# Altium PCB PCB_SingleLedRow.PcbDoc (part 2 of 2) (continued)
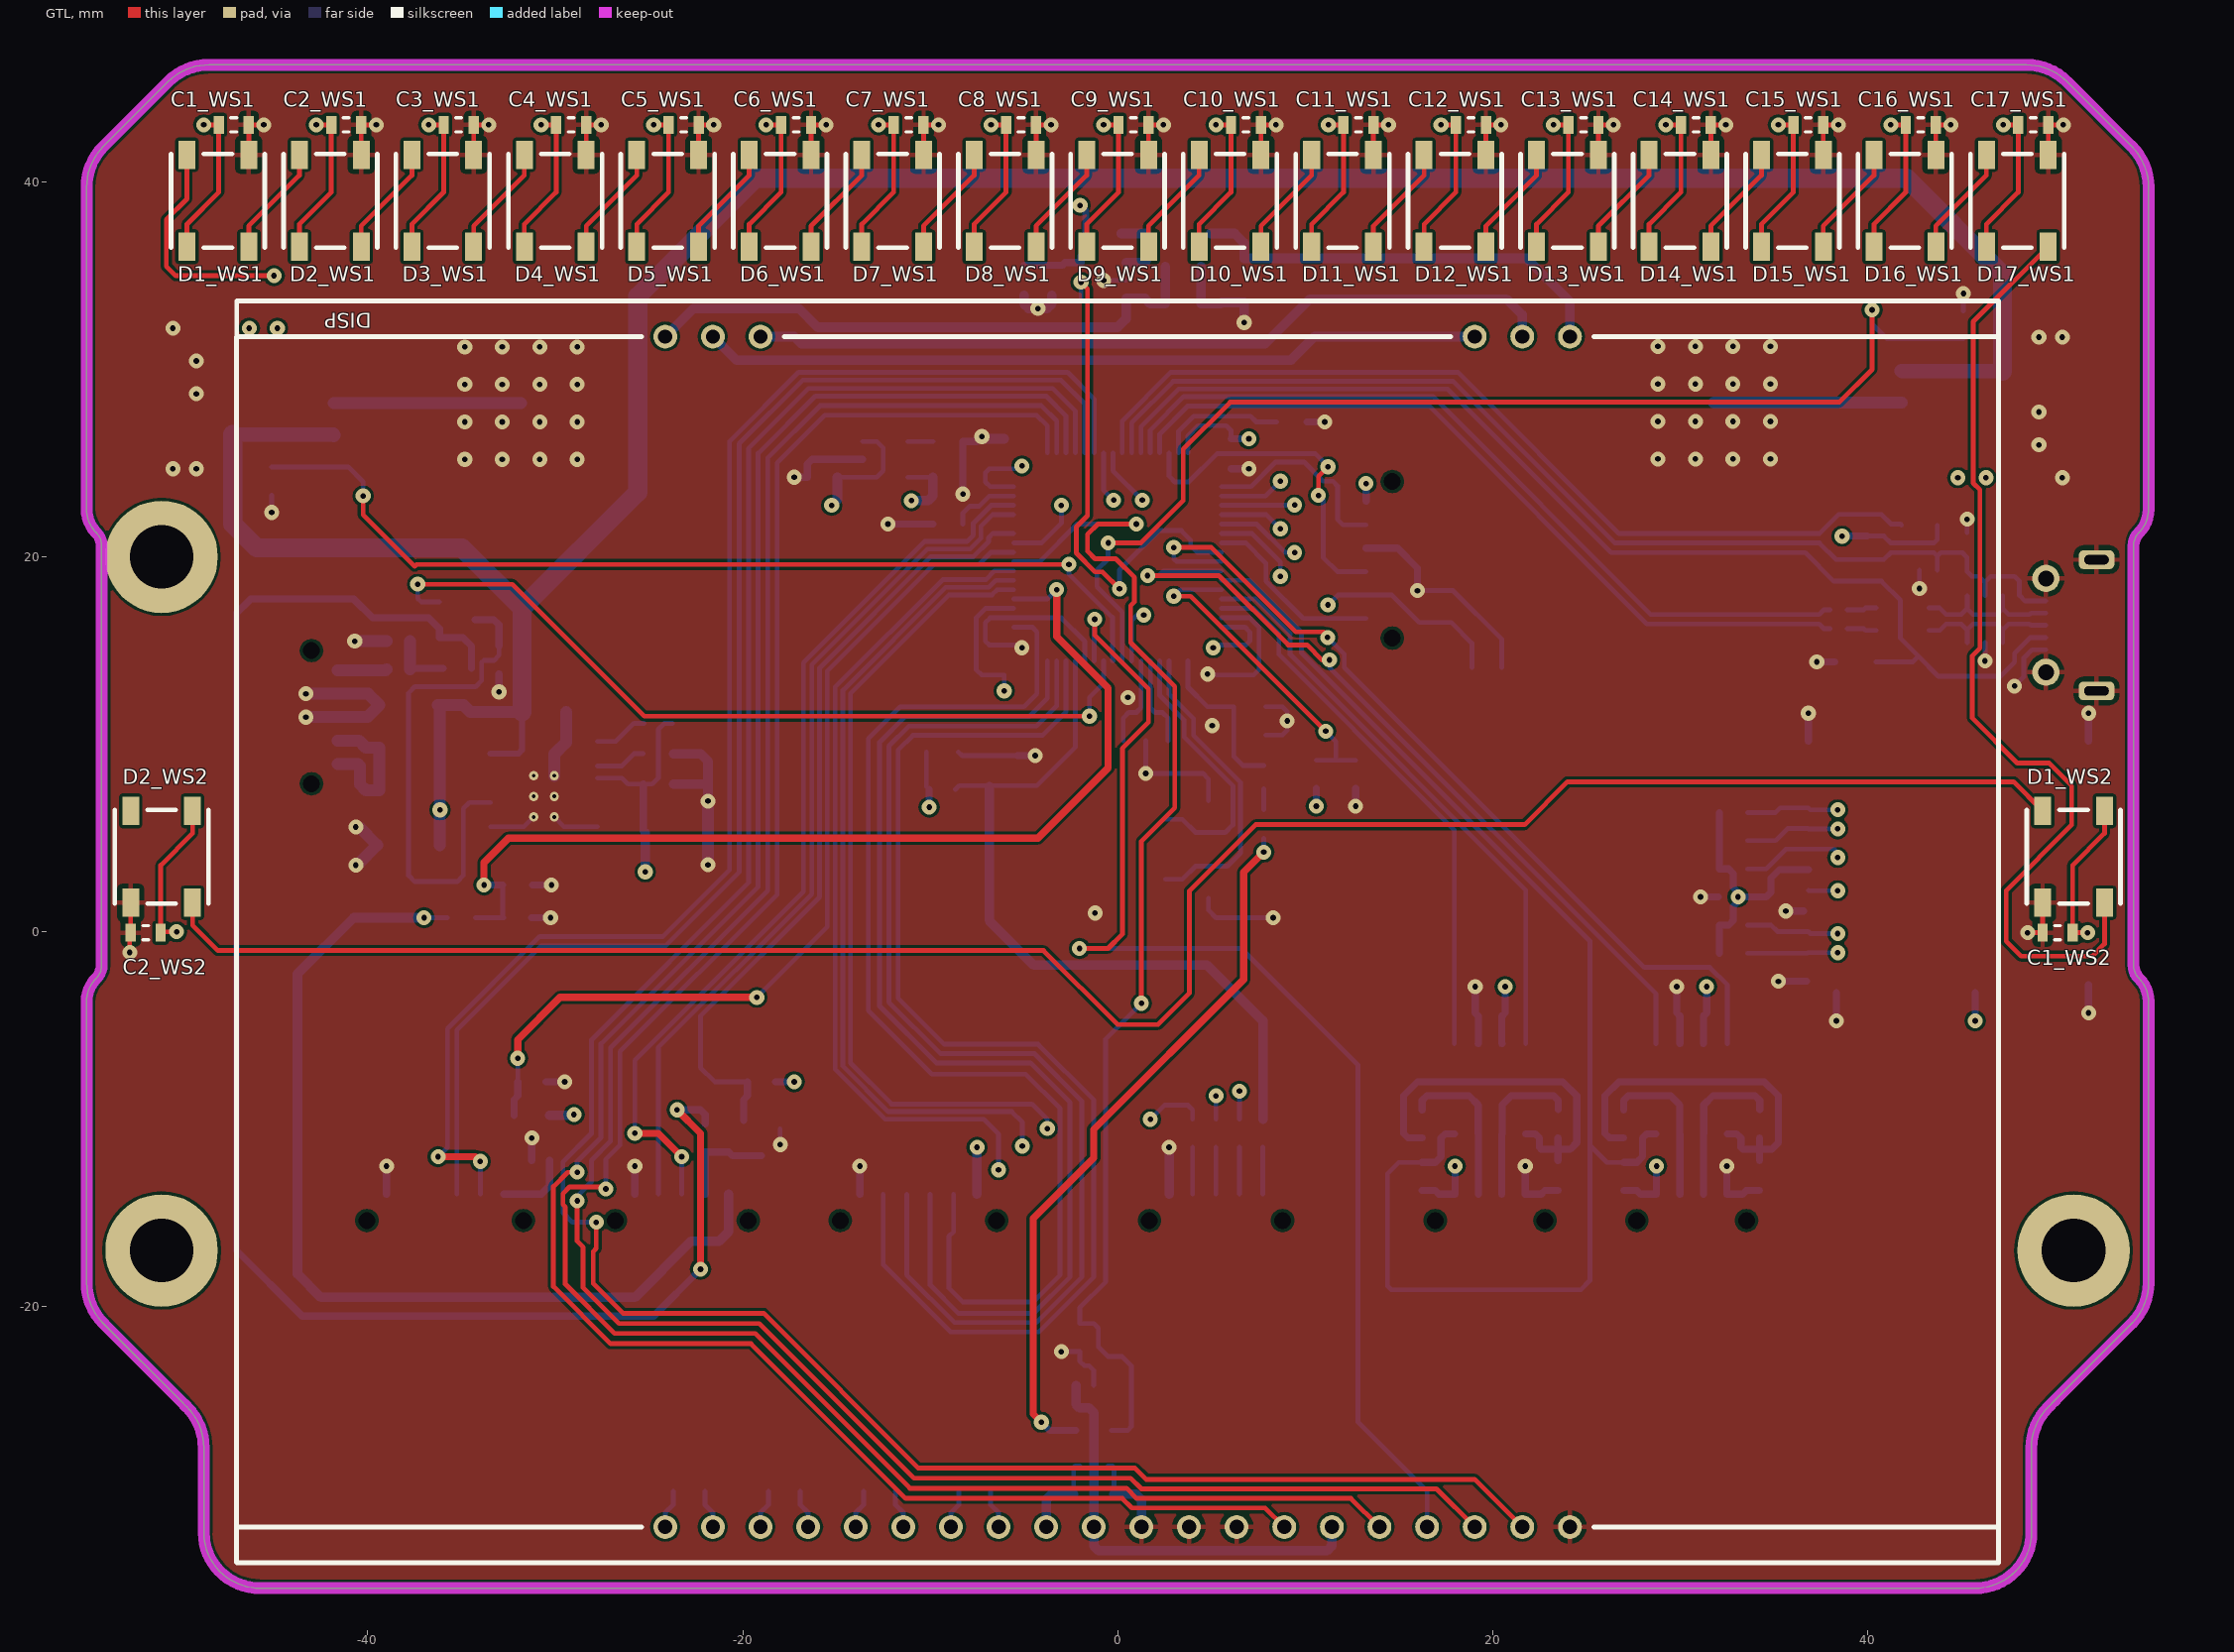
[diagram p0: GTL view]
## Nets (pads, with @x,y where several pads share a name; then routed paths per layer and width w, separated by ;. In a path a pad name is that pad's centre, name@x,y a point inside that pad or via, vN(x,y) a via of type N, cw(c..) or ccw(c..) an arc to the next point about the centre after c; other vN are vias at no path point) (continued)
NetD16_WS2_2: 
NetD17_1: D17.1 R6.2 | length 1.1
  GBL w0.254: R6.2@7.8,6.5 D17.1@7.8,7.625
NetD17_WS2_2: 
NetD22_2: D22.2 D24.2 R26.1 | length 3.3
  GBL w0.381: D22.2@-37.75,14 -37.7,14.05 R26.1@-35.975,14.05
  GBL w0.635: D22.2@-37.75,14 D24.2@-37.75,15.5
NetD25_2: D25.2 U2.10 | length 44
  GTL w0.254: v1(-37.338,18.542) -32.292,18.542 -25.25,11.5 v1(-1.5,11.5)
  GBL w0.254: v1(-37.338,18.542) -37.338,17.78 -37.158,17.6 D25.2@-36.175,17.6 ; v1(-1.5,11.5) -1.5,12.5 -0.75,13.25 U2.10@-0.75,14.45
NetDISP_2: DISP.2 DISP.18 | length 43.3
  GBL w0.508: DISP.18@-19.05,31.75 -17.25,31.75 -16.869,31.369 7.869,31.369 10.25,33.75 20.75,33.75 21.59,32.91 DISP.2@21.59,31.75
NetDISP_3: DISP.3 DISP.19 | length 41.7
  GBL w0.508: DISP.19@-21.59,31.75 -20.34,30.5 9.25,30.5 10.5,31.75 DISP.3@19.05,31.75
NetDISP_20: DISP.20 R2.2 R3.2 U1.3 | length 31.1
  GBL w0.508: DISP.20@-24.13,31.75 -22.63,33.25 -17,33.25 -16,32.25 0,32.25 0.45,32.7 U1.3@0.45,33.8 1.45,33.8 1.75,33.5 R2.2@2.55,33.5 R3.2@2.55,35.5
NetDISP_37: DISP.37 U2.11 | length 67
  GTL w0.254: v1(-2.032,-0.889) -0.508,-0.889 0.254,-0.127 0.254,9.779 1.651,11.176 1.651,12.954 -1.223,15.828 v1(-1.223,16.675)
  GBL w0.254: v1(-2.032,-0.889) 6.604,-0.889 12.827,-7.112 12.827,-26.162 16.51,-29.845 DISP.37@16.51,-31.75 ; U2.11@-1.25,14.45 -1.25,16.648 v1(-1.223,16.675)
NetQ2_4: Q2.4 R23.1 U2.25 | length 49.3
  GTL w0.381: v1(-32,-6.75) -32,-5.75 -29.75,-3.5 v1(-19.25,-3.5)
  GBL w0.254: R23.1@-32,-8 v1(-32,-6.75) ; v1(-19.25,-3.5) -15.494,0.256 -15.494,13.906 -9.8,19.6 -7.4,19.6 -6.75,20.25 U2.25@-5.55,20.25
  GBL w0.381: Q2.4@-32.2,-9.8 -32.2,-8.95 -32,-8.75 R23.1@-32,-8
NetQ3_1: Q3.1 R25.2 U2.27 | length 42.3
  GBL w0.254: R25.2@-19.75,-8 -21.5,-8 -22.25,-7.25 -22.25,-4.499 -15.9,1.85 -15.9,14.074 -9.968,20.006 -7.699,20.006 -6.883,20.823 -6.883,21.017 -6.65,21.25 U2.27@-5.55,21.25
  GBL w0.381: Q3.1@-19.95,-10.05 -19.95,-8.95 -19.75,-8.75 R25.2@-19.75,-8
NetQ3_3: Q3.3 R24.2 RaceDAC.2 | length 5.3
  GBL w0.381: RaceDAC.2@-22,-14 R24.2@-22,-11.75 -20.75,-11.75 -20.55,-11.95 Q3.3@-19,-11.95
NetQ4_4: Q4.4 R1.2 U2.24 | length 66
  GTL w0.254: v1@1.25,21.75 v1(1,21.75) -1.05,21.75 -1.6,21.2 -1.6,20.3 -1.2,19.9 -0.1,19.9 0.9,18.9 0.9,17.6 0.7,17.4 0.7,15.429 3.048,13.081 3.048,6.604 1.27,4.826 v1(1.27,-3.81)
  GBL w0.254: U2.24@-5.55,19.75 -4.15,19.75 -2.15,21.75 v1(1,21.75) ; Q4.4@-0.32,-26.6 0.53,-26.6 0.73,-26.4 0.73,-23.15 0.23,-22.65 -0.52,-22.65 -1.02,-22.15 -1.02,-21.15 -1.27,-20.9 R1.2@-2.02,-20.9 -2.02,-20.054 -0.635,-18.669 -0.635,-5.715 v1(1.27,-3.81)
NetR4_2: R4.2 R5.1 U2.60 | length 17.7
  GTL w0.254: v1(3,17.9) 3.9,17.9 v1(11.1,10.7)
  GBL w0.254: v1(3,17.9) 3.35,18.25 U2.60@5.55,18.25 ; R5.1@10.6,9.15 11.65,9.15 ; v1(11.1,10.7) 11.65,10.15 11.65,9.15 ; R4.2@12.7,9.15 11.65,9.15
NetR15_2: R15.2 U2.8 U3.1 | length 62.5
  GTL w0.254: v1(-0.5,20.75) 1.25,20.75 3.5,23 3.5,25.75 6,28.25 38.5,28.25 40.25,30 v1(40.25,33.175)
  GBL w0.254: v1(-0.5,20.75) -0.5,19.9 -1.1,19.3 -1.1,18.4 0.25,17.05 U2.8@0.25,14.45 ; v1(40.25,33.175) 40.25,32.425 41.05,31.625 U3.1@41.825,31.625 ; U3.1@41.75,31.7 U3.1@41.825,31.625 ; R15.2@45.125,31.625 U3.1@41.825,31.625
NetR16_2: R16.2 U2.9 U4.1 | length 51.9
  GTL w0.254: v1(-40.25,23.25) -40.25,22.25 -37.5,19.5 -37.4,19.6 v1(-2.6,19.6)
  GBL w0.254: R16.2@-45.125,24.8 U4.1@-41.825,24.8 -41.05,24.8 -40.25,24 v1(-40.25,23.25) ; v1(-2.6,19.6) -2.6,19.1 -0.277,16.777 -0.277,14.477 U2.9@-0.25,14.45
NetR28_1: R28.1 U5.1 | length 2.9
  GBL w0.254: U5.1@-27.75,10.15 -26.775,10.15 -25.8,11.125 R28.1@-25.25,11.125
NetR33_2: R33.2 U2.21 | length 56.4
  GL2 w0.254: v1(-3.75,-10.5) -0.75,-7.5 5.5,-7.5 v1(6.5,-8.5)
  GBL w0.254: U2.21@-5.55,18.25 -6.426,18.25 -6.701,17.974 -8.994,17.974 -14.25,12.719 -14.25,-7 -12.063,-9.187 -4.563,-9.187 -3.75,-10 v1(-3.75,-10.5) ; R33.2@6.5,-10 v1(6.5,-8.5)
NetR34_2: R34.2 U2.22 | length 56.8
  GL2 w0.254: v1(-5.08,-11.43) -2.68,-11.43 0.5,-8.25 4.75,-8.25 v1(5.25,-8.75)
  GBL w0.254: U2.22@-5.55,18.75 -6.501,18.75 -6.87,18.381 -9.163,18.381 -14.656,12.887 -14.656,-7.168 -12.231,-9.594 -5.646,-9.594 -5.08,-10.16 v1(-5.08,-11.43) ; R34.2@5.25,-10 v1(5.25,-8.75)
NetR35_2: R35.2 U2.23 | length 56.9
  GL2 w0.254: v1(-6.35,-12.7) -2.45,-12.7 0.25,-10 v1(1.75,-10)
  GBL w0.254: v1(-6.35,-12.7) -6.35,-10.795 -7.145,-10 -12.399,-10 -15.063,-7.337 -15.063,13.055 -9.331,18.787 -7.038,18.787 -6.575,19.25 U2.23@-5.55,19.25 ; v1(1.75,-10) 2.5,-9.25 3.75,-9.25 4,-9.5 R35.2@4,-10
NetRaceDAC_3: RaceDAC.3 U2.30 | length 48.9
  GTL w0.381: v1(-25.75,-10.75) -24.5,-10.75 v1(-23.25,-12)
  GBL w0.254: v1(-25.75,-10.75) -25.75,-6.85 -16.764,2.136 -16.764,14.36 -10.305,20.819 -8.036,20.819 -7.696,21.159 -7.696,21.804 -6.75,22.75 U2.30@-5.55,22.75 ; RaceDAC.3@-23.25,-14 v1(-23.25,-12)
NetRaceDAC_4: RaceDAC.4 U2.29 | length 46.1
  GBL w0.254: RaceDAC.4@-24.5,-14 -24.5,-6.175 -16.307,2.018 -16.307,14.243 -10.137,20.413 -7.867,20.413 -7.289,20.991 -7.289,21.636 -6.675,22.25 U2.29@-5.55,22.25
NetU1_4: U1.4 U2.56 | length 26.8
  GTL w0.254: v1(-1.95,34.65) -1.6,34.3 -1.6,22.2 -2.2,21.6 -2.2,20.2 -1.2,19.2 -0.8,19.2 v1(0.1,18.3)
  GBL w0.254: U1.4@-1.95,33.8 v1(-1.95,34.65) ; v1(0.1,18.3) 0.1,19.3 2.2,21.4 3.4,21.4 3.9,20.9 3.9,20.6 4.25,20.25 U2.56@5.55,20.25
NetU2_5: U2.5 X2.3 | length 4.9
  GBL w0.254: U2.5@1.75,14.45 1.75,11.95 2,11.7 2.4,11.7 2.7,11.4 X2.3@2.7,10.2
NetU2_6: U2.6 X2.1 | length 4.9
  GBL w0.254: X2.1@0.3,10.2 0.3,11.4 0.6,11.7 1,11.7 1.25,11.95 U2.6@1.25,14.45
Reset: C27.1 ISP.5 U2.7 | length 23.2
  GL2 w0.254: v1(1.4,16.9) 10.686,16.9 v1(11.223,17.437)
  GBL w0.254: U2.7@0.75,14.45 0.75,16.616 1.034,16.9 v1(1.4,16.9) ; v1(11.223,17.437) 11.751,17.965 ISP.5@13.255,17.965 14.635,17.965 16.1,16.5 17.8,16.5 18.9,15.4 C27.1@18.9,14.1
SCLK: ISP.2 U2.49 | length 10.7
  GBL w0.254: U2.49@5.55,23.75 7.122,23.75 8.429,25.057 9.953,25.057 10.969,24.041 11.477,24.041 11.731,23.787 11.731,22.009 12.025,21.715 ISP.2@13.255,21.715
SDIO_CK: U2.53 µSD.5 | length 46.6
  GL2 w0.254: v1(9.445,20.231) 10.207,20.231 10.969,20.993 19.053,20.993 35.317,4.729 38.616,4.729 38.809,4.922 39.24,4.922 39.433,4.729 39.433,2.697 38.925,2.189 v1(38.417,2.189)
  GBL w0.254: U2.53@5.55,21.75 7.418,21.75 8.937,20.231 v1(9.445,20.231) ; µSD.5@36.85,2.21 36.871,2.189 v1(38.417,2.189)
SDIO_CMD: R10.2 U2.54 µSD.3 | length 47.3
  GL2 w0.254: v1(8.683,18.961) 9.953,18.961 11.477,20.485 18.843,20.485 35.361,3.967 v1(38.417,3.967)
  GBL w0.254: U2.54@5.55,21.25 7.156,21.25 8.683,19.723 v1(8.683,18.961) ; R10.2@33.6,3.36 34.6,3.36 35.65,4.41 µSD.3@36.85,4.41 38.228,4.41 38.417,4.221 v1(38.417,3.967)
SDIO_D0: R11.2 U2.39 µSD.7 | length 60.1
  GL2 w0.254: v1(-0.207,23.025) -0.207,23.279 0.301,23.787 2.333,23.787 8.175,17.945 9.953,17.945 11.985,19.977 18.589,19.977 34.817,3.749 34.817,0.919 35.833,-0.097 v1(38.417,-0.097)
  GBL w0.254: U2.39@-0.75,25.55 -0.75,23.568 v1(-0.207,23.025) ; R11.2@33.6,0.36 34.85,0.36 35.2,0.01 µSD.7@36.85,0.01 36.957,-0.097 v1(38.417,-0.097)
SDIO_D1: R12.2 U2.40 µSD.8 | length 58.3
  GL2 w0.254: v1(1.317,23.025) 2.079,23.025 7.667,17.437 10.207,17.437 12.239,19.469 18.335,19.469 34.353,3.451 34.353,0.809 36.275,-1.113 v1(38.417,-1.113)
  GBL w0.254: U2.40@-0.25,25.55 -0.25,24.592 v1(1.317,23.025) ; R12.2@33.6,-1.14 36.8,-1.14 36.827,-1.113 v1(38.417,-1.113)
SDIO_D2: R8.2 U2.51 µSD.1 | length 44.6
  GL2 w0.254: v1(9.445,22.771) 10.207,22.009 19.474,22.009 34.976,6.507 v1(38.417,6.507)
  GBL w0.254: U2.51@5.55,22.75 9.424,22.75 v1(9.445,22.771) ; R8.2@33.6,6.36 35.1,6.36 35.35,6.61 µSD.1@36.85,6.61 36.953,6.507 v1(38.417,6.507)
SDIO_D3: R9.2 U2.52 µSD.2 | length 44.9
  GL2 w0.254: v1(8.683,21.501) 19.264,21.501 35.274,5.491 v1(38.417,5.491)
  GBL w0.254: U2.52@5.55,22.25 7.934,22.25 v1(8.683,21.501) ; R9.2@33.6,4.86 35.1,4.86 35.75,5.51 µSD.2@36.85,5.51 36.869,5.491 v1(38.417,5.491)
SDIO_SW: U2.50 µSD.10 | length 61.7
  GL2 w0.254: v1(8.683,24.041) 11.477,24.041 11.731,23.787 11.731,22.771 11.985,22.517 22.283,22.517 31.85,12.95 40.242,12.95 45.75,7.442 v1(45.75,-4.75)
  GBL w0.254: U2.50@5.55,23.25 7.892,23.25 v1(8.683,24.041)
  GBL w0.381: v1(45.75,-4.75) µSD.10@45.75,-3.25
SPI2_CD: DISP.34 U2.35 | length 113.7
  GTL w0.254: v1(-28.829,-12.827) -29.337,-12.827 -30.099,-13.589 -30.099,-18.923 -27.051,-21.971 -19.558,-21.971 -11.303,-30.226 0.254,-30.226 0.762,-30.734 7.874,-30.734 DISP.34@8.89,-31.75
  GBL w0.254: v1(-28.829,-12.827) -28.829,-12.236 -27.559,-10.966 -27.559,-5.969 -19.177,2.413 -19.177,25.527 -16.129,28.575 -3.81,28.575 -2.75,27.515 U2.35@-2.75,25.55
SPI2_MOSI: DISP.39 U2.36 | length 126.6
  GTL w0.254: v1(-27.813,-15.494) -27.813,-16.891 -27.975,-17.053 -27.975,-18.761 -26.381,-20.355 -18.888,-20.355 -10.633,-28.61 0.924,-28.61 1.524,-29.21 19.05,-29.21 DISP.39@21.59,-31.75
  GBL w0.254: v1(-27.813,-15.494) -29.083,-15.494 -29.591,-14.986 -29.591,-12.279 -28.067,-10.755 -28.067,-5.759 -19.685,2.623 -19.685,25.781 -16.485,28.981 -3.454,28.981 -2.25,27.777 U2.36@-2.25,25.55
SPI2_NSS: DISP.36 U2.33 | length 116.1
  GTL w0.254: v1@-27.305,-13.97 v1(-27.305,-13.716) -27.409,-13.612 -29.233,-13.612 -29.591,-13.97 -29.591,-14.552 -29.464,-14.679 -29.464,-18.796 -26.828,-21.432 -19.335,-21.432 -11.08,-29.687 0.477,-29.687 1.016,-30.226 12.446,-30.226 DISP.36@13.97,-31.75
  GBL w0.254: v1(-27.305,-13.716) -27.305,-12.148 -26.543,-11.386 -26.543,-6.39 -18.161,1.992 -18.161,25.019 -15.621,27.559 -4.318,27.559 -3.75,26.991 U2.33@-3.75,25.55
SPI2_SCK: DISP.38 U2.34 | length 120.1
  GTL w0.254: v1(-28.829,-14.351) -28.829,-16.51 -28.513,-16.826 -28.513,-18.985 -26.605,-20.893 -19.112,-20.893 -10.857,-29.148 0.7,-29.148 1.27,-29.718 17.018,-29.718 DISP.38@19.05,-31.75
  GBL w0.254: v1(-28.829,-14.351) -28.829,-14.097 -28.067,-13.335 -28.067,-12.192 -27.051,-11.176 -27.051,-6.179 -18.669,2.203 -18.669,25.273 -15.875,28.067 -4.064,28.067 -3.25,27.253 U2.34@-3.25,25.55
SWD: ISP.4 U2.46 | length 18.5
  GTL w0.254: v1(10.715,23.279) 10.715,24.295 v1(11.223,24.803)
  GBL w0.254: U2.46@2.75,25.55 2.75,24.3 3.05,24 3.8,24 5.3,25.5 10.55,25.5 11.223,24.827 v1(11.223,24.803) ; v1(10.715,23.279) 10.969,23.025 10.969,19.977 11.731,19.215 ISP.4@13.255,19.215
SWO: ISP.6 U2.55 | length 9.9
  GBL w0.254: U2.55@5.55,20.75 6.827,20.75 7.921,19.656 7.921,18.707 9.913,16.715 ISP.6@13.255,16.715
TEL_CTS: RF-868P_LR.4 U2.15 | length 63.5
  GBL w0.254: RF-868P_LR.4@-11.25,-14 -11.25,-18.306 -8.706,-20.85 -4.34,-20.85 -1.905,-18.415 -1.905,-9.039 -4.449,-6.496 -9.455,-6.496 -12.2,-3.751 -12.2,9.901 -11.127,10.974 -4.326,10.974 -3.25,12.05 U2.15@-3.25,14.45
TEL_RTS: RF-868P_LR.5 U2.14 | length 65.6
  GBL w0.254: RF-868P_LR.5@-12.5,-14 -12.5,-17.757 -8.911,-21.346 -4.201,-21.346 -1.27,-18.415 -1.27,-8.973 -4.243,-6 -9.25,-6 -11.704,-3.546 -11.704,9.696 -10.922,10.478 -4.022,10.478 -2.75,11.75 U2.14@-2.75,14.45
TEL_RX: RF-868P_LR.3 U2.16 | length 61.3
  GBL w0.254: RF-868P_LR.3@-10,-14 -10,-18.849 -8.499,-20.35 -4.475,-20.35 -2.54,-18.415 -2.54,-9.111 -4.656,-6.996 -9.662,-6.996 -12.7,-3.958 -12.7,10.108 -11.334,11.474 -4.726,11.474 -3.75,12.45 U2.16@-3.75,14.45
TEL_TX: RF-868P_LR.2 U2.17 | length 62.4
  GBL w0.254: RF-868P_LR.2@-8.75,-14 -8.75,-16 -9,-16.25 -9,-19 -8.25,-19.75 -4.51,-19.75 -3.071,-18.311 -3.071,-9.429 -4.904,-7.596 -9.911,-7.596 -13.3,-4.207 -13.3,10.3 -11.6,12 -5,12 -4.3,12.7 -4.3,16 -4.55,16.25 U2.17@-5.55,16.25
TEL_VCC: C43.1 C45.1 RF-868P_LR.1 U4.4 | length 105.8
  GL2 w1.27: v1(-46.325,32.2) v1(-44.825,32.2) -43.45,32.2 -42.5,31.25 -42.5,20.25 -39,16.75 -39,-7 -42,-10 -42,-19 -38.25,-22.75 -9.5,-22.75 -8,-21.25 -8,-12 v1(-7.5,-11.5)
  GBL w0.508: RF-868P_LR.1@-7.5,-14 v1(-7.5,-11.5)
USB_5VEN: Q1.4 U2.41 | length 48.6
  GBL w0.254: U2.41@0.25,25.55 0.25,27.25 2.85,29.85 18.15,29.85 26.753,21.247 37.445,21.247 38.461,22.263 40.747,22.263 41.255,21.755 41.759,21.755 Q1.4@41.829,21.685
USB_D1_N: CMC1.2 R13.1 | length 1.6
  GBL w0.254: R13.1@38.911,17.183 39.806,17.183 39.898,17.275 CMC1.2@40.475,17.275
USB_D1_P: CMC1.3 R14.1 | length 1.6
  GBL w0.254: R14.1@38.911,16.167 39.806,16.167 39.898,16.075 CMC1.3@40.475,16.075
USB_D2_N: CMC1.1 D18.4 D18.6 USB.2 | length 8.3
  GBL w0.254: CMC1.1@43.275,17.275 43.852,17.275 44.198,16.929 45.006,16.929 45.325,17.248 ; D18.4@45.325,17.925 45.325,17.248 ; D18.6@47.225,17.925 47.225,17.248 ; USB.2@49.525,17 48.723,17 48.652,16.929 47.544,16.929 47.225,17.248 ; 45.325,17.248 45.644,16.929 46.906,16.929 47.225,17.248
USB_D2_P: CMC1.4 D18.1 D18.3 USB.3 | length 8.3
  GBL w0.254: CMC1.4@43.275,16.075 43.852,16.075 44.198,16.421 45.006,16.421 45.325,16.102 ; D18.3@45.325,15.425 45.325,16.102 ; D18.1@47.225,15.425 47.225,16.102 ; USB.3@49.525,16.35 48.723,16.35 48.652,16.421 47.544,16.421 47.225,16.102 ; 45.325,16.102 45.644,16.421 46.906,16.421 47.225,16.102
USB_D_N: R13.2 U2.44 | length 43.1
  GBL w0.254: U2.44@1.742,25.55 1.742,26.76 3.532,28.55 16.825,28.55 28.446,16.929 37.43,16.929 37.684,17.183 R13.2@38.011,17.183
USB_D_P: R14.2 U2.45 | length 42.3
  GBL w0.254: U2.45@2.25,25.55 2.25,26.55 3.75,28.05 16.607,28.05 28.236,16.421 37.43,16.421 37.684,16.167 R14.2@38.011,16.167
USB_ID: R7.1 U2.43 USB.4 | length 61.6
  GBL w0.254: U2.43@1.25,25.55 1.25,26.95 3.256,28.956 17.607,28.956 26.332,20.231 36.683,20.231 38.207,18.707 40.747,18.707 41.763,17.691 41.763,15.659 42.722,14.7 ; R7.1@40.45,14.4 42.422,14.4 42.722,14.7 ; USB.4@49.525,15.7 48.69,15.7 47.85,14.86 47.85,14.38 47.097,13.627 43.795,13.627 42.722,14.7
USB_VBUS: C37.2 D18.5 D19.2 Q1.1 U2.42 USB.1 | length 59.2
  GBL w0.254: U2.42@0.75,25.55 0.75,27.15 2.963,29.363 17.919,29.363 26.543,20.739 37.445,20.739 38.324,19.86 D19.2@39.985,19.86 40.884,19.86 41.255,20.231 43.541,20.231 43.729,20.043 ; Q1.1@43.729,19.285 43.729,20.043 ; D18.5@46.275,17.925 46.275,18.647 ; USB.1@49.525,17.65 48.408,17.65 48.113,17.945 48.113,18.707 47.859,18.961 46.589,18.961 46.275,18.647 ; 43.729,20.043 43.917,20.231 45.065,20.231 45.319,19.977 C37.2@45.319,19.685 45.319,19.215 45.573,18.961 45.961,18.961 46.275,18.647
pads on no net: Analog. CAN1. CAN2. GPS. ISP. P_IN. Q1.3 Q2.3 Q4.3 RaceDAC. RF-868P_LR. U2.2 U2.28 U3.5 U4.5 U5.2 U5.5 U5.6 U5.7 U5.9 U5.10 U5.11 U5.12 U5.14 U5.16 U5.17 U5.18 U5.20 X1.2 X1.3

## Polygon pours and split planes (outlines as drawn)
GND on GBL "GBL-GND" (solid, remove dead copper, pour order 29): -55.254,-18.73 -55.254,-3.721 cw(c-53.234,-3.721) -54.663,-2.293 ccw(c-55.164,-1.789) -54.662,-2.292 ccw(c-55.166,-1.79) -54.454,-1.79 -54.454,20.604 ccw(c-55.166,20.604) -54.662,21.107 ccw(c-55.164,20.603) -54.663,21.107 cw(c-53.234,22.536) -55.254,22.536 -55.254,39.73 cw(c-51.934,39.73) -54.282,42.078 -50.828,45.532 cw(c-48.48,43.184) -48.48,46.504 48.48,46.504 cw(c48.48,43.184) 50.828,45.532 54.282,42.078 cw(c51.934,39.73) 55.254,39.73 55.254,22.536 cw(c53.234,22.536) 54.663,21.107 ccw(c55.164,20.603) 54.662,21.107 ccw(c54.483,21.287) 54.663,21.107 54.662,21.107 ccw(c55.166,20.604) 54.454,20.604 54.454,-1.79 ccw(c55.166,-1.79) 54.662,-2.292 ccw(c55.164,-1.789) 54.663,-2.293 cw(c53.234,-3.721) 55.254,-3.721 55.254,-18.73 cw(c51.934,-18.73) 54.282,-21.078 49.828,-25.532 ccw(c51.816,-27.52) 49.004,-27.52 49.004,-32.065 cw(c45.841,-32.065) 48.078,-34.302 cw(c45.73,-31.954) 45.73,-35.274 -45.73,-35.274 cw(c-45.73,-31.954) -48.078,-34.302 cw(c-45.841,-32.065) -49.004,-32.065 -49.004,-27.52 ccw(c-51.816,-27.52) -49.828,-25.532 -54.282,-21.078 cw(c-51.934,-18.73)
GND on GBL "GBL-No Net 1" (solid, pour order 10): 0.75,14.45 0.75,13.45 -0.95,11.75 -0.95,10.5 -5.2,6.25 -5.2,0.75 -4.45,0 9.05,0 9.8,0.75 9.8,12.5 9.05,13.25 6.3,13.25 4.3,15.25 0.8,15.25
5V_LED on GBL "GBL-No Net" (solid, pour order 2): 39.825,27.725 43.825,27.725 44.825,28.725 47.825,28.725 48.325,28.225 48.325,23.225 47.825,22.725 39.825,22.725 38.825,23.725 38.825,26.725
GND on GBL "GBL-No Net" (solid, pour order 12): -48.325,33.2 -48.825,33.7 -50.825,33.7 -51.4,33.125 -51.4,24.775 -50.825,24.2 -48.825,24.2 -48.325,24.7
TEL_VCC on GBL "GBL-No Net" (solid, pour order 14): -39.825,28.7 -43.825,28.7 -44.825,27.7 -47.825,27.7 -48.325,28.2 -48.325,33.2 -47.825,33.7 -39.825,33.7 -38.825,32.7 -38.825,29.7
GND on GBL "GBL-No Net" (solid, pour order 26): 48.325,23.225 48.825,22.725 50.825,22.725 51.4,23.3 51.4,31.65 50.825,32.225 48.825,32.225 48.325,31.725
3V3 on GL2 "GL2-No Net" (solid, pour order 18): -13,0 -14,1 -14,29 -13,30 13,30 14,29 14,1 13,0
GND on GL2 "GL2-GND" (solid, remove dead copper, pour order 28): -55.254,-18.73 -55.254,-3.721 cw(c-53.234,-3.721) -54.663,-2.293 ccw(c-55.164,-1.789) -54.662,-2.292 ccw(c-55.166,-1.79) -54.454,-1.79 -54.454,20.604 ccw(c-55.166,20.604) -54.662,21.107 ccw(c-55.164,20.603) -54.663,21.107 cw(c-53.234,22.536) -55.254,22.536 -55.254,39.73 cw(c-51.934,39.73) -54.282,42.078 -50.828,45.532 cw(c-48.48,43.184) -48.48,46.504 48.48,46.504 cw(c48.48,43.184) 50.828,45.532 54.282,42.078 cw(c51.934,39.73) 55.254,39.73 55.254,22.536 cw(c53.234,22.536) 54.663,21.107 ccw(c55.164,20.603) 54.662,21.107 ccw(c54.483,21.287) 54.663,21.107 54.662,21.107 ccw(c55.166,20.604) 54.454,20.604 54.454,-1.79 ccw(c55.166,-1.79) 54.662,-2.292 ccw(c55.164,-1.789) 54.663,-2.293 cw(c53.234,-3.721) 55.254,-3.721 55.254,-18.73 cw(c51.934,-18.73) 54.282,-21.078 49.828,-25.532 ccw(c51.816,-27.52) 49.004,-27.52 49.004,-32.065 cw(c45.841,-32.065) 48.078,-34.302 cw(c45.73,-31.954) 45.73,-35.274 -45.73,-35.274 cw(c-45.73,-31.954) -48.078,-34.302 cw(c-45.841,-32.065) -49.004,-32.065 -49.004,-27.52 ccw(c-51.816,-27.52) -49.828,-25.532 -54.282,-21.078 cw(c-51.934,-18.73)
GND on GTL "GTL-GND" (solid, remove dead copper, pour order 27): -55.254,-18.73 -55.254,-3.721 cw(c-53.234,-3.721) -54.663,-2.293 ccw(c-55.164,-1.789) -54.662,-2.292 ccw(c-55.166,-1.79) -54.454,-1.79 -54.454,20.604 ccw(c-55.166,20.604) -54.662,21.107 ccw(c-55.164,20.603) -54.663,21.107 cw(c-53.234,22.536) -55.254,22.536 -55.254,39.73 cw(c-51.934,39.73) -54.282,42.078 -50.828,45.532 cw(c-48.48,43.184) -48.48,46.504 48.48,46.504 cw(c48.48,43.184) 50.828,45.532 54.282,42.078 cw(c51.934,39.73) 55.254,39.73 55.254,22.536 cw(c53.234,22.536) 54.663,21.107 ccw(c55.164,20.603) 54.662,21.107 ccw(c54.483,21.287) 54.663,21.107 54.662,21.107 ccw(c55.166,20.604) 54.454,20.604 54.454,-1.79 ccw(c55.166,-1.79) 54.662,-2.292 ccw(c55.164,-1.789) 54.663,-2.293 cw(c53.234,-3.721) 55.254,-3.721 55.254,-18.73 cw(c51.934,-18.73) 54.282,-21.078 49.828,-25.532 ccw(c51.816,-27.52) 49.004,-27.52 49.004,-32.065 cw(c45.841,-32.065) 48.078,-34.302 cw(c45.73,-31.954) 45.73,-35.274 -45.73,-35.274 cw(c-45.73,-31.954) -48.078,-34.302 cw(c-45.841,-32.065) -49.004,-32.065 -49.004,-27.52 ccw(c-51.816,-27.52) -49.828,-25.532 -54.282,-21.078 cw(c-51.934,-18.73)
GND on GL3 (split plane): 225 vertices, not listed, extent -54.491,-34.511 54.491,45.741

## Keep-outs
Keep-Out Layer:
  lines w0.635: -55,-18.73 ccw(c-51.934,-18.73) -54.102,-20.898 ; -55,-18.73 ccw(c-51.934,-18.73) -54.102,-20.898 ; -55,-18.73 -55,-3.94 ; -55,-18.73 -55,-3.94 ; -55,-3.94 -55,-3.721 ; -55,-3.94 -55,-3.721 ; -55,-3.721 cw(c-53.234,-3.721) -54.483,-2.473 ; -55,-3.721 cw(c-53.234,-3.721) -54.483,-2.473 ; -55,22.536 ccw(c-53.234,22.536) -54.483,21.287 ; -55,22.536 ccw(c-53.234,22.536) -54.483,21.287 ; -55,22.536 -55,22.754 ; -55,22.536 -55,22.754 ; -55,22.754 -55,37.48 ; -55,22.754 -55,37.48 ; -55,37.48 -55,39.73 ; -55,37.48 -55,39.73 ; -55,39.73 cw(c-51.934,39.73) -54.102,41.898 ; -55,39.73 cw(c-51.934,39.73) -54.102,41.898 ; -54.483,-2.473 ccw(c-55.166,-1.79) -54.2,-1.79 ; -54.483,-2.473 ccw(c-55.166,-1.79) -54.2,-1.79 ; -54.483,21.287 cw(c-55.166,20.604) -54.2,20.604 ; -54.483,21.287 cw(c-55.166,20.604) -54.2,20.604 ; -54.2,-1.79 -54.2,20.604 ; -54.2,-1.79 -54.2,20.604 ; -54.102,-20.898 -50,-25 ; -54.102,-20.898 -50,-25 ; -54.102,41.898 -50.648,45.352 ; -54.102,41.898 -50.648,45.352 ; -50.648,45.352 cw(c-48.48,43.184) -48.48,46.25 ; -50.648,45.352 cw(c-48.48,43.184) -48.48,46.25 ; -50,-25 -49.648,-25.352 ; -50,-25 -49.648,-25.352 ; -49.648,-25.352 cw(c-51.816,-27.52) -48.75,-27.52 ; -49.648,-25.352 cw(c-51.816,-27.52) -48.75,-27.52 ; -48.75,-32.065 ccw(c-45.841,-32.065) -47.898,-34.122 ; -48.75,-32.065 ccw(c-45.841,-32.065) -47.898,-34.122 ; -48.75,-32.065 -48.75,-27.52 ; -48.75,-32.065 -48.75,-27.52 ; -48.48,46.25 -47.73,46.25 ; -48.48,46.25 -47.73,46.25 ; -47.898,-34.122 ccw(c-45.73,-31.954) -45.73,-35.02 ; -47.898,-34.122 ccw(c-45.73,-31.954) -45.73,-35.02 ; -47.73,46.25 -44,46.25 ; -47.73,46.25 -44,46.25 ; -45.73,-35.02 -45,-35.02 ; -45.73,-35.02 -45,-35.02 ; -45,-35.02 45,-35.02 ; -45,-35.02 45,-35.02 ; -44,46.25 44,46.25 ; -44,46.25 44,46.25 ; 44,46.25 47.73,46.25 ; 44,46.25 47.73,46.25 ; 45,-35.02 45.73,-35.02 ; 45,-35.02 45.73,-35.02 ; 45.73,-35.02 ccw(c45.73,-31.954) 47.898,-34.122 ; 45.73,-35.02 ccw(c45.73,-31.954) 47.898,-34.122 ; 47.73,46.25 48.48,46.25 ; 47.73,46.25 48.48,46.25 ; 47.898,-34.122 ccw(c45.841,-32.065) 48.75,-32.065 ; 47.898,-34.122 ccw(c45.841,-32.065) 48.75,-32.065 ; 48.48,46.25 cw(c48.48,43.184) 50.648,45.352 ; 48.48,46.25 cw(c48.48,43.184) 50.648,45.352 ; 48.75,-32.065 48.75,-27.52 ; 48.75,-32.065 48.75,-27.52 ; 48.75,-27.52 cw(c51.816,-27.52) 49.648,-25.352 ; 48.75,-27.52 cw(c51.816,-27.52) 49.648,-25.352 ; 49.648,-25.352 50,-25 ; 49.648,-25.352 50,-25 ; 50,-25 54.102,-20.898 ; 50,-25 54.102,-20.898 ; 50.648,45.352 54.102,41.898 ; 50.648,45.352 54.102,41.898 ; 54.102,-20.898 ccw(c51.934,-18.73) 55,-18.73 ; 54.102,-20.898 ccw(c51.934,-18.73) 55,-18.73 ; 54.102,41.898 cw(c51.934,39.73) 55,39.73 ; 54.102,41.898 cw(c51.934,39.73) 55,39.73 ; 54.2,-1.79 ccw(c55.166,-1.79) 54.483,-2.473 ; 54.2,-1.79 ccw(c55.166,-1.79) 54.483,-2.473 ; 54.2,-1.79 54.2,20.604 ; 54.2,-1.79 54.2,20.604 ; 54.2,20.604 cw(c55.166,20.604) 54.483,21.287 ; 54.2,20.604 cw(c55.166,20.604) 54.483,21.287 ; 54.483,-2.473 cw(c53.234,-3.721) 55,-3.721 ; 54.483,-2.473 cw(c53.234,-3.721) 55,-3.721 ; 54.483,21.287 ccw(c53.234,22.536) 55,22.536 ; 54.483,21.287 ccw(c53.234,22.536) 55,22.536 ; 55,-18.73 55,-16.25 ; 55,-18.73 55,-16.25 ; 55,-16.25 55,-3.94 ; 55,-16.25 55,-3.94 ; 55,-3.94 55,-3.721 ; 55,-3.94 55,-3.721 ; 55,22.536 55,22.754 ; 55,22.536 55,22.754 ; 55,22.754 55,37.48 ; 55,22.754 55,37.48 ; 55,37.48 55,39.73 ; 55,37.48 55,39.73